# KiCad board servo.kicad_pcb (continued)
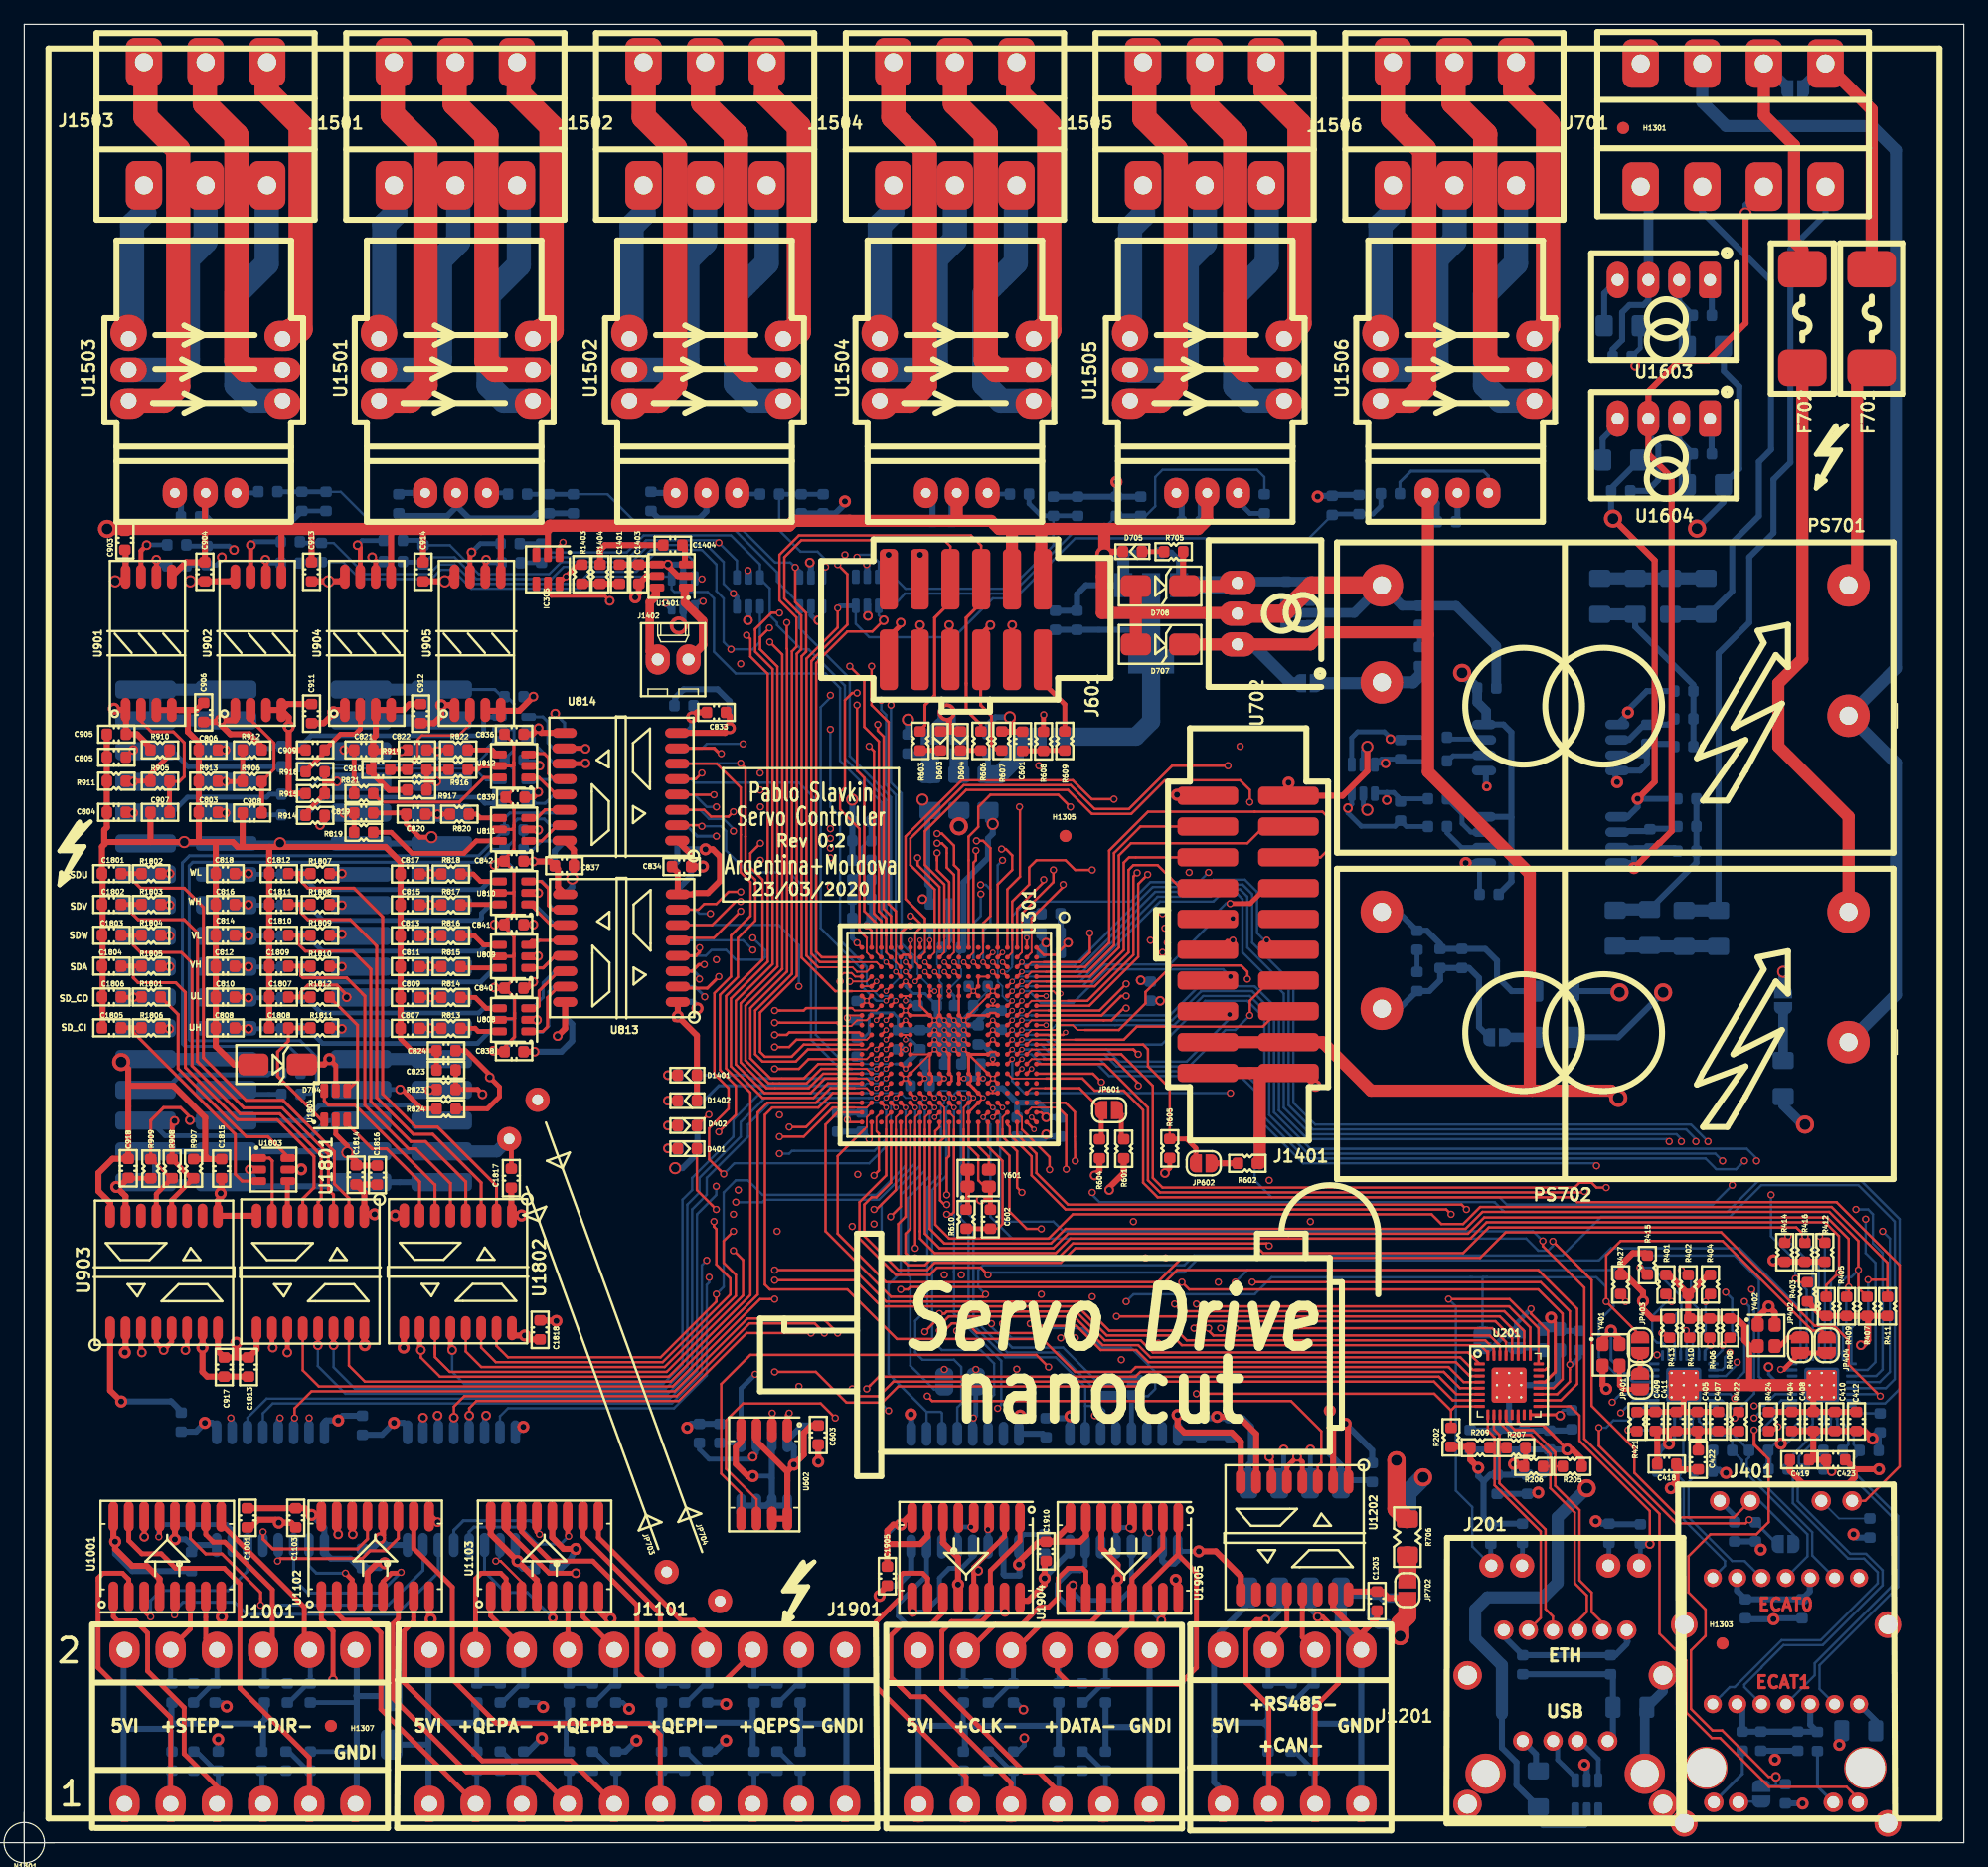
[diagram p0: board, top side]
## Routing (per net, layer and track width the routed paths; a pad name or vN(x,y) marks a point on that pad's centre or on a via; arc(x,y) is an arc through that point) (continued)
USB_VBUS: length 2.9
  Bottom w0.5: 124.71,5.93 124.71,7.3 J201.1
Net-(C601-Pad2): length 3.8
  Top w0.2: 82.18,90.17 82.45,90.17
  Top w0.4: R609.1 84.12,90.1 R608.2 C601.2
Net-(C801-Pad2): length 63.5
  Bottom w0.25: C801.2 39.66,81.94 40.41,82.69 40.41,84.15 40.7,84.44 42.9,84.44 43.44,83.9 U802.10 ; C801.2 38.65,81.94 37.59,80.88 13.91,80.88 13.61,80.58 13.61,66.24 13.7,66.15 22.79,66.15 24.1,64.84 24.1,62.24 23.6,61.74 R812.1 ; C801.2 39.41,81.74 ; 39.61,81.74 39.61,81.75
Net-(C802-Pad2): length 60.3
  Bottom w0.25: R811.1 22.79,64.73 21.83,65.69 13.25,65.69 13.05,65.89 13.05,80.83 13.63,81.41 37.48,81.41 C802.2 39.61,84.49 40.06,84.94 44.35,84.94 U802.11
Net-(C823-Pad2): length 40.5
  Top w0.152: U814.11 45.47,89.01 45.5,89.04
  Top w0.4: U814.11 46.27,89.01 v4(46.3,89.04) ; R823.2 37.4,62.14 v4(37.8,61.74) ; 35.59,62.08 35.59,64.04
  In3.Cu w0.25: 45.9,89.04 44.7,89.04 43.4,87.74 41.4,87.74 41,87.34 41,63.34 39.4,61.74 v4(37.8,61.74)
Net-(C824-Pad2): length 44.8
  Top w0.4: U814.10 46.26,90.28 v4(46.3,90.24) ; C824.2 36.4,65.34 38.4,63.34 v4(38.4,63.14) 39.2,62.34 39.2,61.54 38.2,60.54 R824.2
  In3.Cu w0.25: v4(38.4,63.14) 39.2,63.14 40.2,64.14 40.2,88.94 41.5,90.24 45.9,90.24
Net-(C907-Pad2): length 12
  Top w0.25: 9.65,93.43 9.65,92.49 10.5,91.64 12.3,91.64 13.2,90.74 13.2,87.94 12.8,87.54 12.01,87.54 R905.1
  Top w0.4: R905.1 C907.2
Net-(C908-Pad2): length 9.7
  Top w0.25: R906.1 20.6,88.55 20.6,90.7 18.68,92.62 U902.2
  Top w0.4: R906.1 C908.2
Net-(C909-Pad2): length 7.6
  Top w0.4: R918.1 23.21,88.37 24.79,89.95 C909.2 26.09,91.44 27.3,91.44 27.72,91.86 27.72,93.39
Net-(C910-Pad2): length 10.2
  Top w0.2: R919.1 32.44,89.36 32.44,90.98 32.8,91.34 35.84,91.34 36.77,92.27 36.77,93.37
  Top w0.4: R919.1 C910.2
Net-(C1401-Pad2): length 3.1
  Top w0.5: R1403.2 R1404.1 C1401.2
Net-(C1404-Pad1): length 6.6
  Top w0.5: R1404.2 47.5,106.64 47.9,107.04 C1404.1
Net-(C1404-Pad2): length 1.7
  Top w0.152: 54.5,106.83 C1404.2
  Top w0.5: 54.5,105.44 54.5,106.83
Net-(C1605-Pad2): length 5.6
  Bottom w0.5: R1605.1 135.65,92.24 133.87,92.24 C1605.2 133.61,92.23 132.35,90.97 131.27,90.97
Net-(C1606-Pad2): length 5.3
  Bottom w0.5: 131.27,83.35 131.36,83.44 133.96,83.44 C1606.2 134.16,83.64 136.19,83.64 R1606.1
Net-(C1607-Pad2): length 52.3
  In3.Cu w0.5: v4(132.9,121.84) 141.7,121.84 143.1,120.44 143.1,105.24 132.3,94.44 v3(132.3,93.24)
  Bottom w0.4: 133.2,125.62 133.31,125.73 ; L1601.2 133.31,123.29 C1607.2 132.9,122.3 v4(132.9,121.84)
  Bottom w0.5: U1601.1 132.3,93.12 v3(132.3,93.24) 132.3,93.44 133.86,95 R1607.1
Net-(C1608-Pad2): length 37.1
  Top w0.5: v1(131.06,109.22) 134.5,105.78 134.5,87.51 v3(133.1,86.11)
  Bottom w0.5: R1609.1 v3(133.1,86.11) 133.1,85.44 132.28,84.62 131.27,84.62 ; v1(131.06,109.22) 130.91,109.37 C1608.2 130.91,111.71 133.19,113.99 L1602.2
Net-(C1609-Pad2): length 6.1
  Bottom w0.5: L1603.2 137.2,125.54 C1609.2 136.53,127.1 U1603.2
Net-(C1610-Pad2): length 6.1
  Bottom w0.5: L1604.2 137.2,114.11 C1610.2 136.53,115.67 U1604.2
Net-(C1801-Pad1): length 41.2
  Top w0.25: 8.9,79.94 8.9,79.44 9.6,78.74 13.2,78.74 14.78,77.16 14.78,64.76 18.3,61.24 21.35,61.24 25.58,57.01 25.58,54.36 26.79,53.15 U1801.2
  Top w0.4: R1802.1 C1801.1
Net-(C1802-Pad1): length 38.3
  Top w0.25: 8.9,77.4 8.9,76.64 9.4,76.14 13.2,76.14 14.29,75.05 14.29,64.45 18.12,60.62 21.28,60.62 25.09,56.8 25.09,53.87 25.52,53.44 U1801.3
  Top w0.4: R1803.1 C1802.1
Net-(C1803-Pad1): length 35.6
  Top w0.152: 13.84,65.64 13.84,65.32
  Top w0.25: U1801.4 24.25,52.87 24.5,53.12 24.5,56.7 21.07,60.13 17.81,60.13 13.84,64.1 13.84,72.58 12.98,73.44 9.6,73.44 9,74.04 9,74.85
  Top w0.4: C1803.1 R1804.1
Net-(C1804-Pad1): length 32.6
  Top w0.25: U1801.5 22.98,53.12 23.9,54.04 23.9,56.61 20.87,59.64 17.61,59.64 13.3,63.95 13.3,70.14 12.5,70.94 9.4,70.94 9,71.34 9,72.31
  Top w0.4: C1804.1 R1805.1
Net-(C1805-Pad1): length 19.5
  Top w0.25: 9,67.22 9,66.85 17.41,58.44 17.41,55.13 17.97,54.57 19.45,54.57
  Top w0.4: C1805.1 R1806.1
Net-(C1808-Pad1): length 11.5
  Top w0.25: C1808.1 21.79,66.13 20.9,65.24 20.9,63.23 24.49,59.64 U1804.1
  Top w0.4: C1808.1 R1811.1
Net-(C1809-Pad1): length 30.4
  Top w0.152: U1802.5 35.15,52.19
  Top w0.25: U1802.5 35.15,54.39 32.3,57.24 31.7,57.24 28.1,60.84 28.1,69.84 26.6,71.34 23,71.34 22.8,71.54 22.8,72.3
  Top w0.4: C1809.1 R1810.1
Net-(C1810-Pad1): length 33.6
  Top w0.25: U1802.4 36.42,54.52 33.1,57.84 31.9,57.84 28.59,61.15 28.59,72.06 27.11,73.54 23.2,73.54 22.6,74.14 22.6,74.85
  Top w0.4: C1810.1 R1809.1
Net-(C1811-Pad1): length 36.6
  Top w0.25: 22.8,77.39 22.8,76.74 23.4,76.14 26.9,76.14 29.08,73.96 29.08,61.46 32.1,58.44 33.7,58.44 37.69,54.45 U1802.3
  Top w0.4: C1811.1 R1808.1
Net-(C1812-Pad1): length 41.4
  Top w0.152: U1802.2 38.96,53.09
  Top w0.25: U1802.2 38.96,54.18 34.1,59.04 32.3,59.04 29.57,61.77 29.57,76.37 27.2,78.74 23.4,78.74 22.6,79.54 22.6,79.94
  Top w0.4: R1807.1 C1812.1
Net-(D401-Pad2): length 1.7
  Top w0.5: 53.13,57.27 53.16,57.25 D401.2
  Bottom w0.25: R419.1 v4(53.1,57.27)
Net-(D402-Pad2): length 1.8
  Top w0.152: 53.83,59.24 D402.2
  Top w0.5: D402.2 v4(53.1,59.15)
  Bottom w0.5: R420.1 53.15,59.2 v4(53.1,59.15)
Net-(D603-Pad1): length 1.7
  Top w0.4: R603.1 D603.1
Net-(D604-Pad1): length 1.7
  Top w0.4: R606.2 D604.1
Net-(D701-Pad2): length 1.8
  Bottom w0.4: D701.2 R701.2
Net-(D702-Pad2): length 1.8
  Bottom w0.4: D702.2 R702.2
Net-(D705-Pad2): length 1.8
  Top w0.4: R705.2 D705.2
Net-(D1401-Pad1): length 1.3
  Top w0.5: D1401.1 53.3,63.32
  Bottom w0.5: R1401.1 53.3,63.32
  vias: v4(53.1,63.32)
Net-(D1402-Pad1): length 1.6
  Top w0.5: D1402.1 53.13,61.21
  Bottom w0.5: R1402.1 53.13,61.21
  vias: v4(53.1,61.21)
Net-(J201-Pad14): length 1.9
  Bottom w0.4: R212.2 130.73,22.92 J201.14
Net-(J201-Pad15): length 1.9
  Bottom w0.152: 123.6,22.89 J201.15
  Bottom w0.4: R213.2 123.6,22.89
Net-(J401-Pad15): length 5.2
  Bottom w0.25: R442.2 141.73,5.69 J401.15
Net-(J401-Pad17): length 4.8
  Bottom w0.25: J401.17 147.93,4.64 147.93,7.57
Net-(J401-Pad19): length 2.3
  Bottom w0.152: 139.93,28.2 J401.19
  Bottom w0.4: R446.2 141.1,26.96 J401.19
Net-(J401-Pad21): length 4.6
  Bottom w0.152: R445.2 149.7,26.75 J401.21
Net-(J701-Pad4a): length 99.2
  GND.Cu w1: v7(145.1,71.84) 145.1,74.64 143.08,76.66 143.08,112.62 154.5,124.04 154.5,137.64 150.7,141.44 136.57,141.44 133.35,144.66 J701.4a
  Bottom w0.8: JP708.1 v7(145.1,71.84)
Net-(JP201-Pad2): length 2.8
  Bottom w0.25: 125.08,40.84 Y201.3 125.12,40.62
  Bottom w0.4: JP201.2 125.13,40.79 Y201.3
Net-(JP401-Pad1): length 3.2
  Top w0.4: JP401.1 v5(133.3,39.64) JP403.2
  Bottom w0.25: v5(133.3,39.64) 133.3,39.44 133.74,39 U402.23
Net-(JP401-Pad2): length 3.5
  Top w0.4: JP401.2 131.95,37.39 131.6,37.74 Y401.3
Net-(JP402-Pad1): length 5.3
  Top w0.4: v5(144.9,39.04) 145.15,39.04 JP402.1 JP404.2
  Bottom w0.25: U403.23 144.94,39
Net-(JP402-Pad2): length 2.4
  Top w0.25: 145.55,41.69 145.5,41.64
  Top w0.4: 145.5,41.64 144.83,40.97 Y402.3 ; 145.55,41.69 JP402.2
Net-(JP405-Pad2): length 26
  Top w0.2: 142.4,26.54 v5(142.3,26.64) 142,26.34 136.3,26.34 129.9,32.74 v5(129.9,34.24)
  Bottom w0.2: U402.17 133.66,36 132.5,34.84 131.1,34.84 130.5,34.24 v5(129.9,34.24) ; v5(142.3,26.64) 142.9,26.34
  Bottom w0.25: JP405.2 144.6,24.64 R433.2
  Bottom w0.4: v5(142.3,26.64) 142.51,26.43 R433.2
Net-(JP601-Pad2): length 2.6
  Top w0.4: R601.1 90.5,58.23 90.5,60.09 JP601.2
Net-(JP602-Pad2): length 1.9
  Top w0.5: 99.88,56.04 JP602.2
Net-(JP702-Pad1): length 1.9
  Top w1.5: R706.2 114.1,21.84
Net-(JP705-Pad1): length 1.9
  Bottom w1.5: R707.2 114.1,21.84
Net-(JP706-Pad2): length 2.5
  Bottom w0.8: R703.1 JP706.2
Net-(JP708-Pad2): length 4.3
  Bottom w0.8: R708.1 JP708.2
Net-(L1601-Pad1): length 3.6
  Bottom w0.5: U1603.4 130.34,127.8 130.34,125.73
Net-(L1602-Pad1): length 3.9
  Bottom w0.5: L1602.1 130.21,115.81 130.8,116.4 130.8,116.83 U1604.4
Net-(R201-Pad1): length 3.8
  Top w0.25: U201.16 126.63,35.31 v4(126.7,35.24)
  Bottom w0.25: R201.1 126.95,35.69 126.7,35.44 v4(126.7,35.24)
Net-(R421-Pad1): length 4.7
  Top w0.152: R421.1 133.07,33.96
  Top w0.25: v5(132.3,34.04) 132.38,33.96 R421.1
  Bottom w0.25: v5(132.3,34.04) 134.7,34.04 135.15,34.49 U402.16
Net-(R801-Pad1): length 17.3
  Bottom w0.4: R801.1 24.03,78.64 24.5,78.64 24.51,78.63 37.69,78.63 38.37,79.31 39.31,79.31
Net-(R802-Pad1): length 17.8
  Bottom w0.4: R802.1 23.41,77.33 24.66,76.08 37.54,76.08 37.73,76.26 37.73,76.66 38.47,77.41 39.31,77.41
Net-(R803-Pad1): length 17.3
  Bottom w0.4: 39.31,74.08 39.26,74.04 38.1,74.04 37.6,73.54 24.6,73.54 23.36,74.79 R803.1
Net-(R804-Pad1): length 17.5
  Bottom w0.4: R804.1 23.3,72.24 23.3,72.24 24.5,71.04 24.7,71.04 24.74,71 37.66,71 38.84,72.18 39.31,72.18
Net-(R805-Pad1): length 17.2
  Bottom w0.4: R805.1 23.25,69.69 24.5,68.44 37.5,68.44 37.91,68.85 39.31,68.85
Net-(R806-Pad1): length 17.4
  Bottom w0.4: 39.31,66.95 38.4,66.95 37.38,65.93 24.61,65.93 23.4,67.14 R806.1
Net-(R807-Pad1): length 18.1
  Bottom w0.4: R807.1 23.67,91.32 37.58,91.32 37.9,91.64 37.9,92.64 38.13,92.87 39.31,92.87
Net-(R808-Pad1): length 17.7
  Bottom w0.2: R808.1 22.87,88.84 24.3,88.84 24.39,88.93 37.23,88.93 38.15,89.85 38.15,90.28 38.84,90.97 39.31,90.97
Net-(R809-Pad1): length 17.8
  Bottom w0.2: 39.31,87.64 39.3,87.64 38.1,87.64 37.13,88.61 25.2,88.61 23.08,86.49 R809.1
Net-(R810-Pad1): length 17.3
  Bottom w0.4: 39.31,85.74 38,85.74 37.51,86.23 24.69,86.23 23.25,84.79 R810.1
Net-(R813-Pad2): length 3.4
  Top w0.4: R813.2 37.17,67.18 37.19,67.19 37.45,66.92 39.31,66.92
Net-(R814-Pad2): length 3.7
  Top w0.4: R814.2 37.21,69.72 38.11,68.82 39.31,68.82
Net-(R815-Pad2): length 3.4
  Top w0.4: 39.31,72.16 36.1,72.16 R815.2
Net-(R816-Pad2): length 3.6
  Top w0.4: 39.31,74.06 37.9,74.06 37.14,74.81 R816.2
Net-(R817-Pad2): length 3.3
  Top w0.4: R817.2 36.02,77.4 39.31,77.4
Net-(R818-Pad2): length 3.6
  Top w0.4: R818.2 37.03,79.91 37.65,79.3 39.31,79.3
Net-(R819-Pad2): length 11.7
  Top w0.4: R819.2 30.27,83.34 32,81.61 36.27,81.61 37.29,82.63 39.31,82.63
Net-(R820-Pad2): length 2.7
  Top w0.4: 39.31,84.53 37.62,84.53 37.31,84.84 R820.2
Net-(R821-Pad2): length 11.7
  Top w0.25: R821.2 29.49,85.84 35.9,85.84 37.93,87.87 39.31,87.87
Net-(R822-Pad2): length 2.9
  Top w0.4: R822.2 38.6,90.14 38.97,89.77 39.31,89.77
Net-(R901-Pad1): length 4.5
  Top w0.4: U901.7 9.63,106.57 v4(10.1,107.04)
  Bottom w0.4: v4(10.1,107.04) 10.13,107.06 R901.1
Net-(R902-Pad1): length 2.5
  Top w0.4: U901.6 v4(10.9,105.84)
  Bottom w0.4: v4(10.9,105.84) 11.4,105.34 R902.1
Net-(R903-Pad1): length 5.2
  Top w0.4: U902.7 18.68,107.02 v4(18.7,107.04)
  Bottom w0.4: R903.1 18.98,107.31 v4(18.7,107.04)
Net-(R904-Pad1): length 2.8
  Top w0.4: v4(19.9,105.84) 19.95,105.79 U902.6
  Bottom w0.4: R904.1 20.18,105.56 v4(19.9,105.84)
Net-(R920-Pad1): length 5
  Top w0.4: v4(27.5,107.04) 27.72,106.82 U904.7
  Bottom w0.4: R920.1 27.88,107.42 v4(27.5,107.04)
Net-(R921-Pad1): length 2.8
  Top w0.4: v4(28.7,106.04) 28.99,105.75 U904.6
  Bottom w0.4: v4(28.7,106.04) 29.05,105.69 R921.1
Net-(R922-Pad1): length 4.8
  Top w0.25: v4(36.9,106.44) 36.77,106.31
  Top w0.4: 36.77,106.31 U905.7
  Bottom w0.4: R922.1 37.62,107.16 v4(36.9,106.44)
Net-(R923-Pad1): length 2.8
  Top w0.25: v4(38.1,105.84) 38.04,105.78
  Top w0.4: 38.04,105.78 U905.6
  Bottom w0.4: R923.1 38.35,105.59 v4(38.1,105.84)
Net-(R1501-Pad1): length 2
  Bottom w0.4: R1501.1 39.82,111.34 U1501.7 38.18,111.35 ; 39.81,111.34 39.91,111.44
Net-(R1503-Pad1): length 1.9
  Bottom w0.4: U1502.7 58.91,111.24 R1503.1
Net-(R1505-Pad1): length 1.6
  Bottom w0.4: 19.1,111.46 18.98,111.34 U1503.7
Net-(R1507-Pad1): length 1.9
  Bottom w0.4: U1504.7 79.57,111.24 R1507.1
Net-(R1509-Pad1): length 3.3
  Bottom w0.4: U1505.7 100.12,110.64 101.11,109.65 R1509.1
Net-(R1511-Pad1): length 10.2
  Bottom w0.25: U1506.7 120.78,112.74 120.38,113.13 114.39,113.13 113.49,112.23 R1511.1
Net-(R1601-Pad2): length 3.1
  Bottom w0.4: U1601.7 120.36,91.04 117.52,91.04 R1601.2
Net-(R1602-Pad2): length 3.4
  Bottom w0.4: 120.58,89.7 120.53,89.66 117.88,89.66 117.37,89.15
Net-(R1603-Pad2): length 4.8
  Bottom w0.4: 120.58,83.35 119.34,83.35 118.62,84.07 118.62,84.86 R1603.2
Net-(R1604-Pad2): length 4.2
  Bottom w0.4: R1604.2 117.37,83.29 118.58,82.08 120.58,82.08
Net-(R1605-Pad2): length 15.8
  Bottom w0.25: R1611.1 130.95,101.32
  Bottom w0.5: R1612.1 132.9,100.3 137.69,95.51 R1607.2 137.7,94.99 137.7,92.72 R1605.2 137.7,92.7 137.7,90.43 R1608.1
  Bottom w1: 130.95,101.32 R1612.1
Net-(R1606-Pad2): length 13.6
  Bottom w0.25: 131.3,76.98 R1615.1
  Bottom w0.5: R1614.1 137.95,80.84 R1610.1 R1609.2
  Bottom w1: R1614.1 131.3,76.98
Net-(R1611-Pad2): length 8.8
  Bottom w0.25: 132.9,104.24 R1612.2
  Bottom w1: R1611.2 R1616.1
Net-(R1614-Pad2): length 8.5
  Bottom w0.25: 131.27,73.93 R1615.2
  Bottom w1: R1618.1 131.27,73.93
Net-(R1801-Pad1): length 18.6
  Top w0.25: 21.65,56.47 21.65,56.69 20.1,58.24 18.32,58.24 12.7,63.85 12.7,68.31 R1801.1
Net-(R1812-Pad1): length 9
  Top w0.25: U1804.4 27.5,62.89 27.5,67.44 R1812.1
Net-(U801-Pad10): length 6.4
  Bottom w0.25: 41.51,66.95 41.62,66.84 42.74,66.84 43.27,67.38 43.27,70.21 43.69,70.63 U801.10
Net-(U801-Pad11): length 5.1
  Bottom w0.25: U801.11 43.76,71.9 42.8,70.94 42.8,69.72 41.93,68.85 41.51,68.85
Net-(U801-Pad12): length 3.5
  Bottom w0.25: 41.51,72.18 42.84,72.18 43.83,73.17 U801.12
Net-(U801-Pad13): length 3.3
  Bottom w0.25: U801.13 42.54,74.44 42.19,74.09 41.51,74.09 41.51,74.08
Net-(U801-Pad14): length 3.8
  Bottom w0.25: U801.14 43.83,75.71 42.13,77.41 41.51,77.41
Net-(U801-Pad15): length 4.9
  Bottom w0.25: U801.15 43.73,76.98 43.22,77.48 43.22,78.82 42.73,79.31 41.51,79.31
Net-(U802-Pad12): length 3.4
  Bottom w0.25: 41.51,85.74 42.98,85.74 43.68,86.44 U802.12
Net-(U802-Pad13): length 3.1
  Bottom w0.25: 41.51,87.64 41.58,87.71 U802.13
Net-(U802-Pad14): length 3.9
  Bottom w0.25: U802.14 43.76,88.98 41.77,90.97 41.51,90.97
Net-(U802-Pad15): length 5.2
  Bottom w0.25: U802.15 43.68,90.25 43.2,90.72 43.2,92.45 42.78,92.87 41.51,92.87
Net-(U808-Pad1): length 6
  Top w0.25: U813.15 44.08,70.62 43.17,69.71 43.17,67.31 42.78,66.92 41.51,66.92
Net-(U808-Pad3): length 5.1
  Top w0.25: 41.51,68.82 42.28,68.82 42.47,69.01 42.47,70.26 44.1,71.89 U813.14
Net-(U809-Pad1): length 3.9
  Top w0.25: 44.17,73.16 U813.13 43.8,73.16 42.8,72.16 U809.1
Net-(U809-Pad3): length 3.3
  Top w0.25: U813.12 41.88,74.43 41.51,74.06
Net-(U810-Pad1): length 3.8
  Top w0.25: U813.11 43.45,75.7 41.75,77.4 41.51,77.4
Net-(U810-Pad3): length 4.9
  Top w0.25: U813.10 43.58,76.97 43.24,77.3 43.24,78.7 42.65,79.3 41.51,79.3
Net-(U811-Pad1): length 3.6
  Top w0.25: U814.15 43.99,83.93 42.69,82.63 41.51,82.63
Net-(U811-Pad3): length 3.3
  Top w0.25: 41.51,84.53 42.3,84.53 42.97,85.2 U814.14
Net-(U812-Pad1): length 3.6
  Top w0.25: 41.51,87.87 42.47,87.87 43.87,86.47 U814.13
Net-(U812-Pad3): length 4.7
  Top w0.25: U814.12 43.69,87.74 43.25,88.18 43.25,89.49 42.9,89.84 41.58,89.84 41.51,89.77
Net-(U1801-Pad6): length 2.9
  Top w0.4: 21.65,54.57 21.71,54.52 U1801.6
Net-(U1801-Pad7): length 5.6
  Top w0.25: U1801.7 20.44,52.62 20.45,52.64 20.45,56.25 20.23,56.47 19.45,56.47
Net-(U1802-Pad6): length 15.4
  Top w0.25: 33.9,51.76 U1802.6 33.88,54.26 27.3,60.84 25.1,60.84 24.75,61.19 U1804.6
Net-(U1802-Pad7): length 11.1
  Top w0.25: U1802.7 32.61,54.53 29.9,57.24 28.7,57.24 26.65,59.29 U1804.3

## Copper pours and planes (outline as drawn; the poured copper is in the pictures)
1V2C on Bottom: 88.5,101.84 88.5,98.44 80.1,98.44 80.1,95.44 86.3,95.44 86.3,88.44 96.5,88.44 99,92.04 101.3,92.04 101.3,96.04 96.9,96.04 96.9,101.84
3V3 on Vcc.Cu: 154.5,33.64 5.1,34.24 5.1,42.44 54.5,42.44 54.5,104.44 5.7,104.44 5.7,110.24 120.7,110.24 120.7,81.84 106.7,81.84 106.7,54.24 154.5,54.24
5VI on Vcc.Cu: 5.1,0.64 5.3,25.04 47.3,25.04 56.1,17.84 68.5,17.84 72.1,22.04 72.1,26.84 94.8,26.64 99.85,20.34 113.55,20.54 113.5,7.04 108.5,2.04 108.5,0.64
5VP on Vcc.Cu: 5.1,94.04 40.3,94.04 44.5,89.84 44.5,66.04 39.9,61.44 39.9,52.44 5.1,52.44
GND on GND.Cu: 154.5,33.84 5.4,33.84 5.1,42.44 54.5,42.44 54.5,104.44 5.7,104.44 5.7,110.24 120.7,110.24 120.7,81.84 106.7,81.84 106.7,54.24 154.5,54.24
GNDI on GND.Cu: 5.1,0.64 5.3,25.04 47.3,25.04 56.1,17.84 68.5,17.84 72.1,22.04 72.1,26.84 94.8,26.64 99.85,20.34 113.55,20.54 113.5,7.04 108.5,2.04 108.5,0.64
GNDP on GND.Cu: 5.1,94.04 40.3,94.04 44.5,89.84 44.5,66.04 39.9,61.44 39.9,52.44 5.1,52.44

## Text on the board
B.SilkS: EARTH | +VBUS1- | N | LH | +VBUS2- | LC | -5VH+ | -5VC+ | github.com/pslavkin/servo_pmsm | IA_U | IA_V | IA_ALL | IB_U | IB_V | IB_ALL | AC
Cmts.User: PnP origin
Dwgs.User: these sloted holes on Dwgs.User / layer are NPTH milled holes 0.8mm width
Top: ECAT1 | ECAT0
F.SilkS: SD_CO | SD_CI | SDU | SDV | SDW | SDA | WH | UH | WL | VH | UL | VL | 5VI | +STEP- | +DIR- | GNDI | +QEPA- | +QEPB- | +QEPI- | +QEPS- | +CLK- | +DATA- | +CAN- | +RS485- | 2 | 1
